# Allegro board LAY-38820_A.brd (continued)
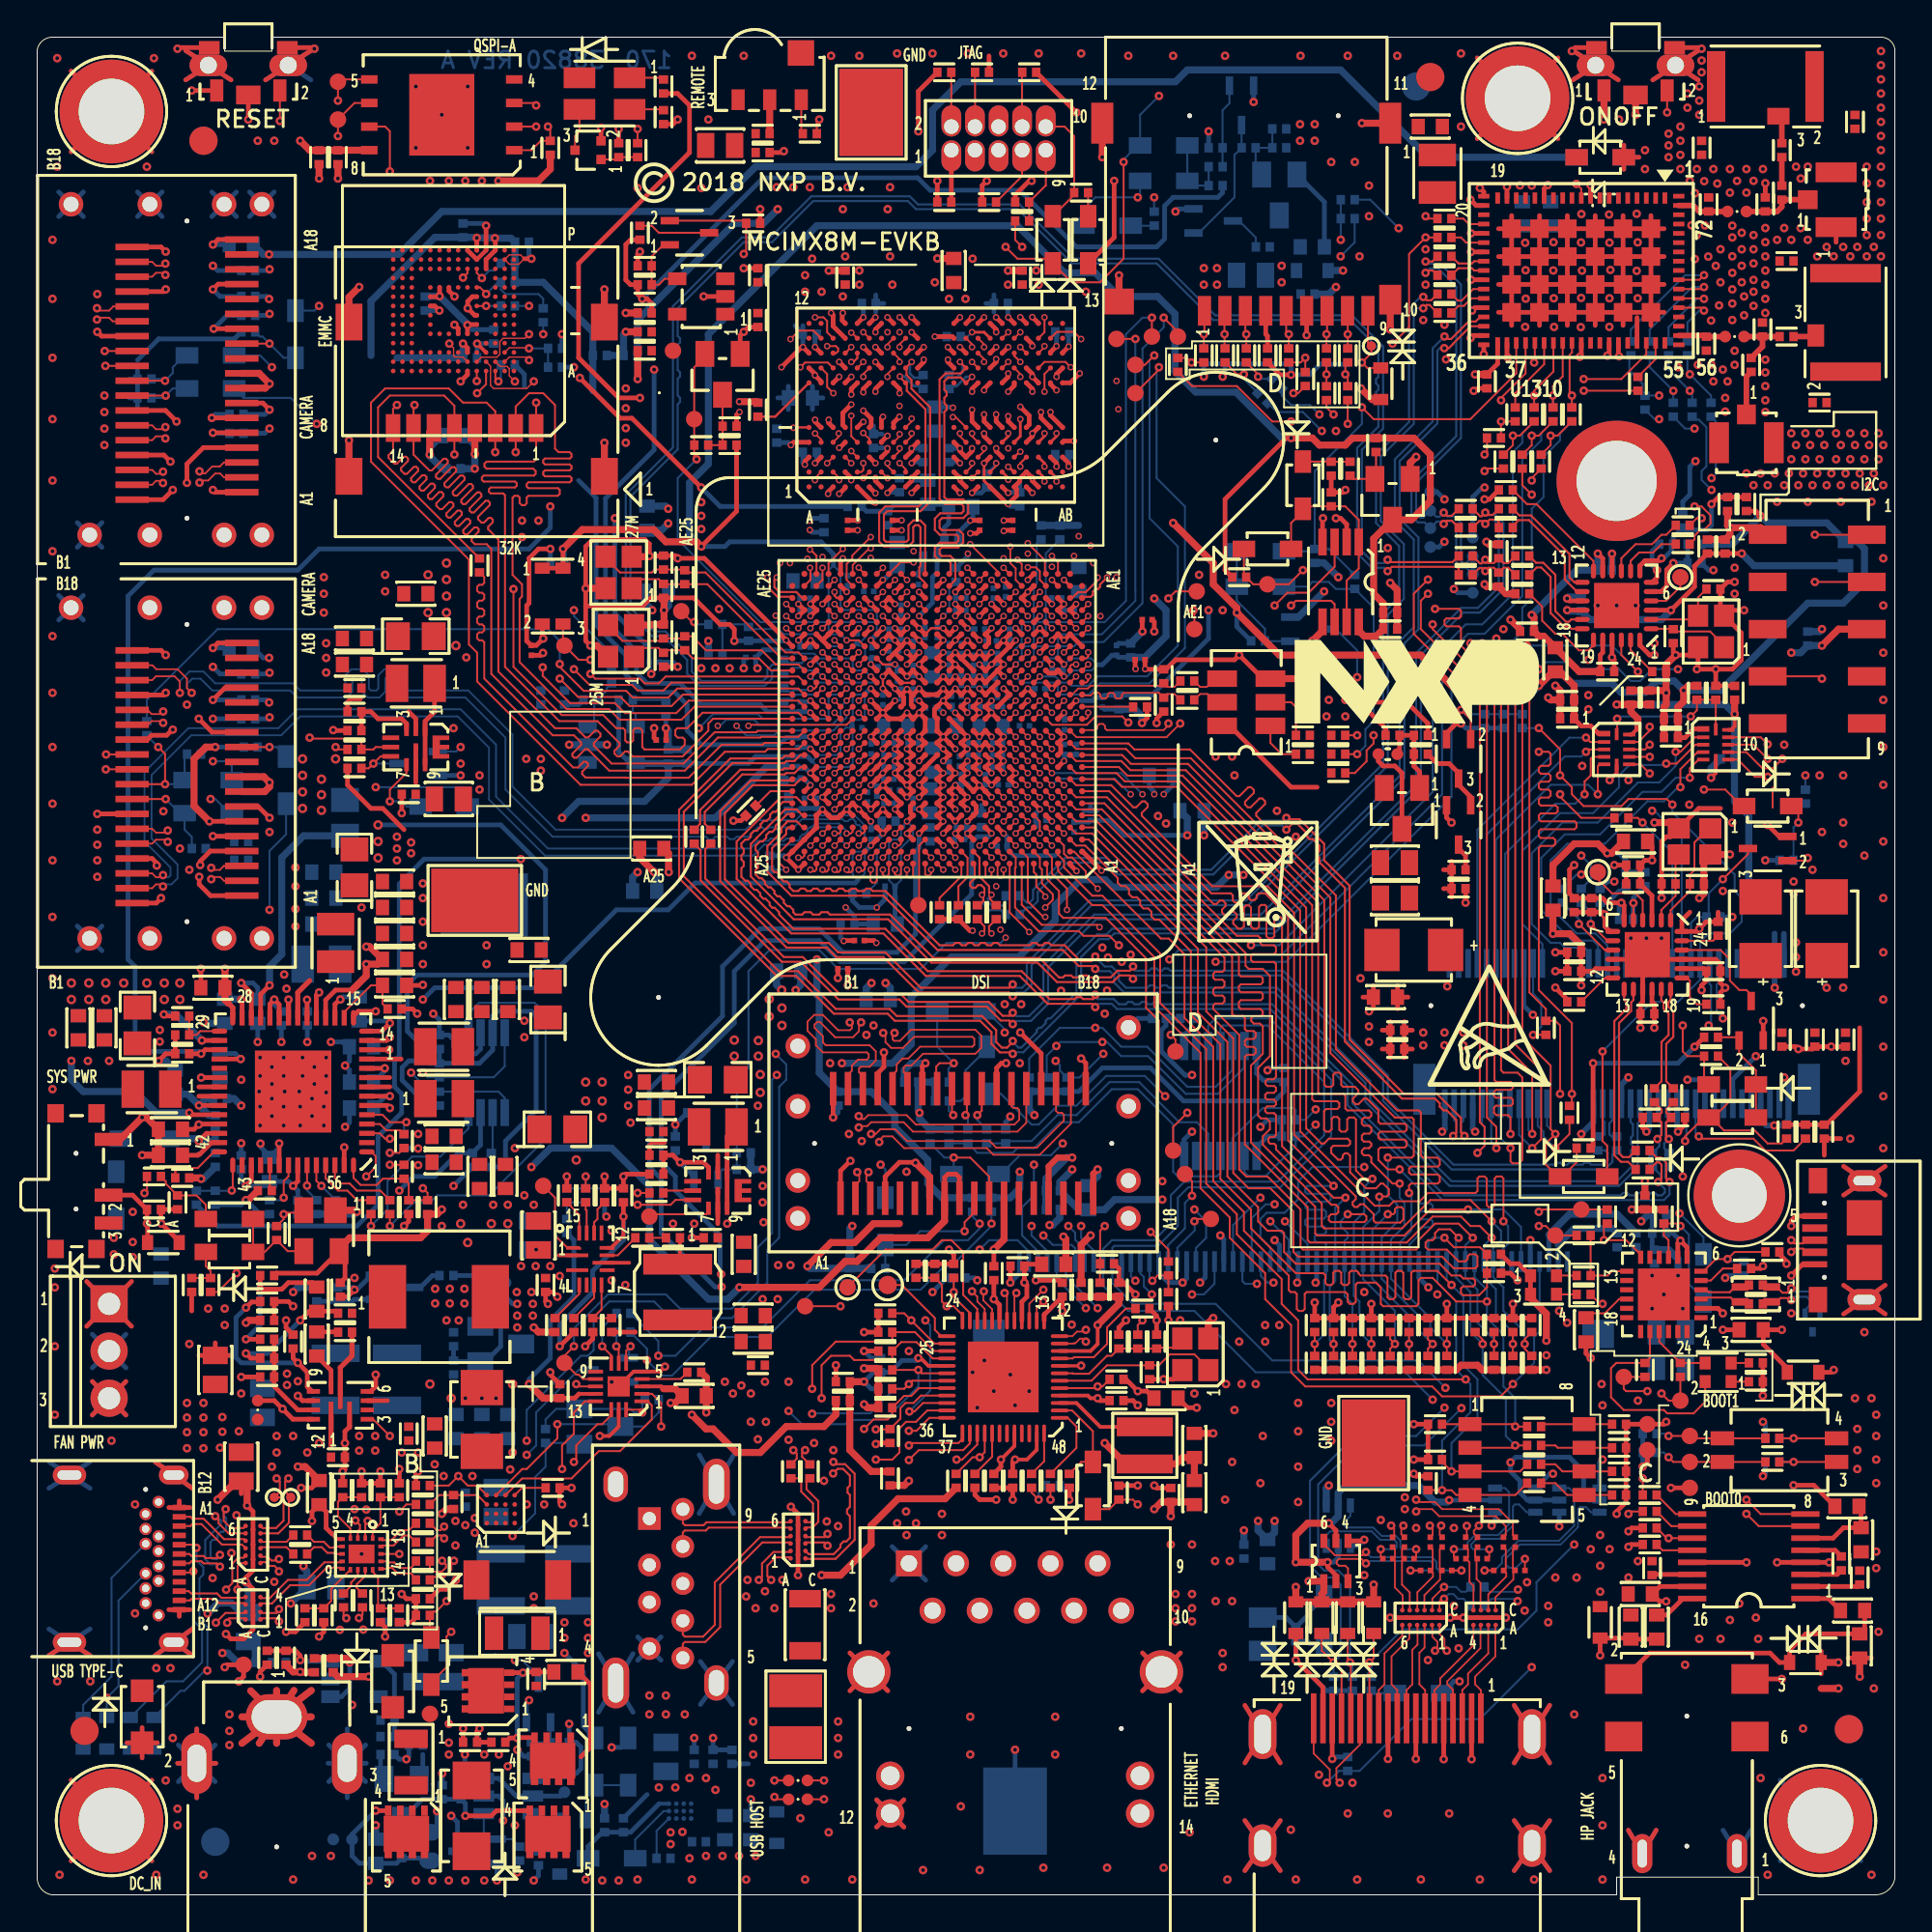
[diagram p0: board, top side]
## Routing (per net, layer and track width the routed paths; a pad name or vN(x,y) marks a point on that pad's centre or on a via; arc(x,y) is an arc through that point) (continued)
CSI_P1_DN3: length 61.3
  TOP w0.097: J1502.B16 6.19,87.1 6.4,87.31 6.79,87.31 v1(6.9,87.2)
  TOP w0.102: U101.C21 v2(42.93,56.48)
  L8_INT_3 w0.076: v1(6.9,87.2) 7.01,87.31 7.4,87.31 10.31,84.4 10.31,84.1 10.1,83.89 10.1,83.5 10.41,83.19 10.8,83.19 10.95,83.34 11.5,83.34 12.13,82.7 12.8,82.7 13.65,81.85 13.65,77.88 16.66,74.87 16.66,69.03 17.04,68.65 17.04,66.65 19.96,63.73 19.96,62.04 24.29,57.72 27.34,57.72 27.97,57.09 29.91,57.09 30.54,57.72 35.88,57.72 36.51,57.09 37.91,57.09 38.35,57.53 42.38,57.53 42.6,57.31 42.6,56.81 v2(42.93,56.48)
CSI_P1_DP0: length 60.1
  TOP w0.097: J1502.B3 6.19,76.7 6.4,76.5 6.66,76.5 v1(6.78,76.61)
  TOP w0.102: v2(41.62,55.83) 41.63,55.83 U101.B23
  L8_INT_3 w0.076: v1(6.78,76.61) 6.87,76.52 7.4,76.52 8.32,77.44 10.98,77.44 11.5,76.92 11.5,76.53 11.2,76.23 11.2,76.08 11.34,75.94 11.48,75.94 11.79,76.25 12.18,76.25 14.2,74.23 14.2,65.3 15.18,64.32 16.57,64.32 17.59,63.31 17.59,60.64 17.84,60.39 18.6,60.39 23.43,55.56 25.49,55.56 26.05,55.01 26.51,54.55 27.22,54.55 27.33,54.65 27.33,54.78 27.6,55.05 28.04,55.05 28.32,54.78 28.32,54.65 28.42,54.55 28.62,54.55 28.72,54.65 28.72,54.78 29,55.05 29.44,55.05 29.71,54.78 29.71,54.65 29.82,54.55 30.02,54.55 30.12,54.65 30.12,54.78 30.39,55.05 30.84,55.05 31.11,54.78 31.11,54.65 31.21,54.55 35.04,54.55 35.14,54.65 35.14,54.91 35.41,55.18 35.86,55.18 36.13,54.91 36.13,54.65 36.23,54.55 36.44,54.55 36.54,54.65 36.54,54.91 36.81,55.18 37.26,55.18 37.53,54.91 37.53,54.65 37.63,54.55 37.83,54.55 37.93,54.65 37.93,54.91 38.21,55.18 38.65,55.18 38.92,54.91 38.92,54.65 39.03,54.55 40.92,54.55 41.3,54.92 41.3,55.33 41.62,55.66 v2(41.62,55.83)
CSI_P1_DP1: length 59.9
  TOP w0.097: J1502.B6 6.19,79.1 6.4,78.9 6.79,78.9 v1(6.9,79.01)
  TOP w0.102: U101.D22 v2(42.28,57.13)
  L8_INT_3 w0.076: v2(42.28,57.13) 42.14,57 41.99,57 41.78,57.21 39.27,57.21 38.64,56.58 35.81,56.58 35.71,56.68 35.71,56.94 35.44,57.21 35,57.21 34.72,56.94 34.72,56.68 34.62,56.58 34.42,56.58 34.32,56.68 34.32,56.94 34.04,57.21 33.6,57.21 33.33,56.94 33.33,56.68 33.22,56.58 33.02,56.58 32.92,56.68 32.92,56.94 32.65,57.21 32.2,57.21 31.93,56.94 31.93,56.68 31.83,56.58 31.62,56.58 31.52,56.68 31.52,56.94 31.25,57.21 30.8,57.21 30.53,56.94 30.53,56.68 30.43,56.58 27.75,56.58 27.08,57.25 24.03,57.25 19.37,61.91 19.37,63.69 16.45,66.61 16.45,68.64 16.19,68.9 16.19,72.61 15.85,72.96 15.85,73.63 16.19,73.98 16.19,74.52 11.61,79.1 10.97,79.1 10.51,79.56 10.51,80.67 10.1,81.09 8.67,81.09 8.28,80.7 8.28,79.43 7.7,78.84 7.07,78.84 v1(6.9,79.01)
CSI_P1_DP2: length 62.9
  TOP w0.097: v1(3.22,85.41) 3.35,85.28 3.87,85.28 4.1,85.51 J1502.B14
  TOP w0.102: v2(41.62,56.48) 41.63,56.48 U101.C23
  L8_INT_3 w0.076: v1(3.22,85.41) 3.35,85.28 4,85.28 6.03,83.25 6.03,78.42 6.5,77.95 7.31,77.95 7.56,78.21 11.36,78.21 14.97,74.59 14.97,65.67 15.56,65.09 16.95,65.09 18.39,63.65 18.39,61.75 23.66,56.48 26.61,56.48 27.24,55.85 39.18,55.85 39.9,56.57 41.14,56.57 41.33,56.38 41.52,56.38 v2(41.62,56.48)
CSI_P1_DP3: length 61.3
  TOP w0.097: v1(6.9,87.81) 6.79,87.7 6.4,87.7 6.19,87.91 J1502.B17
  TOP w0.102: v2(42.93,57.13) 43.15,57.13 43.25,57.24 U101.D21
  L8_INT_3 w0.076: v2(42.93,57.13) 42.89,57.17 42.89,57.43 42.5,57.82 41.44,57.82 41.34,57.92 41.08,57.92 40.98,57.82 40.83,57.82 40.73,57.92 40.47,57.92 40.37,57.82 38.23,57.82 37.79,57.38 36.63,57.38 36,58.01 30.42,58.01 29.79,57.38 28.09,57.38 27.46,58.01 24.41,58.01 20.26,62.17 20.26,63.85 17.33,66.77 17.33,68.77 16.95,69.15 16.95,74.99 13.94,78 13.94,81.97 12.92,82.99 12.25,82.99 11.62,83.63 10.82,83.63 10.68,83.48 10.53,83.48 10.39,83.62 10.39,83.77 10.6,83.98 10.6,84.52 7.52,87.6 7.11,87.6 v1(6.9,87.81)
CSI_P1_PWDN: length 111.5
  TOP w0.107: U101.P4 v2(54.62,63.63)
  L6_INT_2 w0.076: v2(54.62,63.63) 54.95,63.31 56.07,63.31 56.2,63.18 56.96,63.18 57.97,64.2 66.23,64.2 71.44,69.4 71.44,77.02 73.34,78.93 73.34,82.51 73.63,82.81 73.63,87.02 69.85,90.8 63.5,90.8 56.07,98.23 45.53,98.23 42.35,95.06 33.72,95.06 32.96,95.82 26.48,95.82 25.65,95 20.19,95 15.18,89.98 v1(15.18,85.53)
  BOTTOM w0.107: v1(15.18,85.53) 14.92,85.28 D1503.C
CSI_P2_CKN: length 47
  TOP w0.097: J1503.A2 10.05,54.59 9.85,54.79 9.49,54.79 v1(9.37,54.67)
  TOP w0.102: U101.A19 44.55,55.22 44.45,55.12 44.29,55.12 v2(44.22,55.18)
  L8_INT_3 w0.076: v1(9.37,54.67) 9.58,54.88 11.89,54.88 13.2,53.57 14.76,53.57 16.74,51.59 18.25,51.59 18.52,51.86 18.52,53.01 18.62,53.11 18.93,53.11 19.03,53.01 19.03,51.86 19.3,51.59 24.58,51.59 25.3,50.86 38.23,50.86 38.33,50.76 38.33,50.37 38.6,50.1 39.15,50.1 39.42,50.37 39.42,50.76 39.53,50.86 39.83,50.86 39.93,50.76 39.93,50.37 40.21,50.1 40.75,50.1 41.02,50.37 41.02,50.76 41.13,50.86 42.23,50.86 44.19,52.83 44.19,55.15 v2(44.22,55.18)
CSI_P2_CKP: length 47
  TOP w0.097: J1503.A3 10.05,55.39 9.83,55.17 9.48,55.17 v1(9.37,55.28)
  TOP w0.102: U101.B19 44.23,55.83 v2(44.22,55.83)
  L8_INT_3 w0.076: v2(44.22,55.83) 44.22,55.66 43.9,55.33 43.9,52.95 42.11,51.16 41.01,51.16 40.73,50.88 40.73,50.49 40.63,50.39 40.33,50.39 40.22,50.49 40.22,50.88 39.95,51.16 39.41,51.16 39.13,50.88 39.13,50.49 39.03,50.39 38.73,50.39 38.62,50.49 38.62,50.88 38.35,51.16 25.42,51.16 24.7,51.88 19.42,51.88 19.32,51.98 19.32,53.13 19.05,53.4 18.5,53.4 18.23,53.13 18.23,51.98 18.13,51.88 16.86,51.88 14.88,53.86 13.32,53.86 12.01,55.17 9.48,55.17 v1(9.37,55.28)
CSI_P2_DN0: length 54.1
  TOP w0.097: J1503.B2 6.19,54.19 6.4,54.4 6.66,54.4 v1(6.78,54.28)
  TOP w0.102: U101.C20 v2(43.58,56.48)
  BOTTOM w0.097: v1(6.78,54.28) 6.89,54.4 7.23,54.4 7.56,54.72 7.56,55.47 6.16,56.86 6.16,60.28 8.3,62.42 13.14,62.42 14.16,63.44 22.64,63.44 24.32,61.75 24.32,58.96 27.34,55.94 38.54,55.94 39.13,56.53 41.04,56.53 41.97,57.47 43.08,57.47 43.25,57.3 43.25,56.81 v2(43.58,56.48)
CSI_P2_DN1: length 47
  TOP w0.097: J1503.B5 6.19,56.59 6.4,56.8 6.92,56.8 v1(7.03,56.68)
  TOP w0.102: v2(43.57,55.18) 43.57,55.13 43.65,55.05 43.8,55.05 43.9,55.15 U101.A20
  L8_INT_3 w0.076: v1(7.03,56.68) 7.14,56.79 7.94,56.79 8.58,56.16 10.3,56.16 10.58,56.43 10.58,57.84 10.68,57.94 10.98,57.94 11.09,57.84 11.09,56.43 11.36,56.16 14.17,56.16 16.29,54.04 19.33,54.04 20.52,52.86 24.36,52.86 25.5,51.71 41.55,51.71 43.54,53.7 43.54,55.15 v2(43.57,55.18)
CSI_P2_DN2: length 48
  TOP w0.097: v1(6.78,63.09) 6.69,63.18 6.16,63.18 5.96,62.99 J1503.B13
  TOP w0.102: U101.A21 43.25,55.17 43.15,55.06 43,55.06 42.92,55.14 v2(42.92,55.18)
  L8_INT_3 w0.076: v1(6.78,63.09) 6.98,63.28 7.55,63.28 8.41,62.42 10.83,62.42 13.23,60.01 13.23,58.39 15.33,56.3 15.71,56.3 16.32,56.91 16.46,56.91 16.68,56.69 16.68,56.55 16.07,55.94 16.07,55.56 16.7,54.93 21.11,54.93 22.29,53.75 24.61,53.75 25.84,52.51 41.34,52.51 42.89,54.07 42.89,55.15 v2(42.92,55.18)
CSI_P2_DN3: length 52
  TOP w0.097: J1503.B16 6.19,65.39 6.4,65.59 7.4,65.59 7.68,65.31 v1(7.68,64.7)
  TOP w0.107: U101.C19 v2(44.23,56.48)
  BOTTOM w0.097: v1(7.68,64.7) 7.68,65.34 8.19,65.85 8.95,65.85 9.59,65.21 13.78,65.21 14.16,64.83 16.48,64.83 16.59,64.93 16.59,65.65 16.91,65.98 17.53,65.98 17.86,65.65 17.86,64.93 17.96,64.83 18.26,64.83 18.36,64.93 18.36,65.65 18.69,65.98 19.31,65.98 19.63,65.65 19.63,64.93 19.74,64.83 23.21,64.83 25.59,62.45 25.59,59.66 27.91,57.34 38.13,57.34 38.64,57.85 40.83,57.85 41.08,58.1 44.02,58.1 44.55,57.57 U101.C19 v2(44.23,56.48)
CSI_P2_DP0: length 54.1
  TOP w0.097: v1(6.78,54.89) 6.66,54.78 6.4,54.78 6.19,54.99 J1503.B3
  TOP w0.102: v2(43.58,57.13) 43.8,57.13 43.9,57.24 U101.D20
  BOTTOM w0.097: v1(6.78,54.89) 6.89,54.78 7.07,54.78 7.17,54.88 7.17,55.31 5.78,56.7 5.78,60.44 8.14,62.8 12.99,62.8 14,63.82 22.8,63.82 24.7,61.91 24.7,59.12 27.49,56.32 38.39,56.32 38.8,56.74 39.36,56.74 39.49,56.86 39.78,56.86 39.91,56.74 40.19,56.74 40.32,56.86 40.54,56.86 40.67,56.74 40.95,56.74 41.07,56.85 41.07,56.95 41.2,57.09 41.3,57.09 41.46,57.25 41.46,57.34 41.59,57.47 41.69,57.47 41.89,57.67 43.17,57.67 43.5,57.34 43.5,57.21 v2(43.58,57.13)
CSI_P2_DP1: length 46.9
  TOP w0.097: v1(7.03,57.29) 6.92,57.18 6.4,57.18 6.19,57.39 J1503.B6
  TOP w0.102: U101.B20 43.58,55.83 v2(43.57,55.83)
  L8_INT_3 w0.076: v2(43.57,55.83) 43.57,55.66 43.25,55.33 43.25,53.82 41.43,52.01 25.62,52.01 24.48,53.15 20.64,53.15 19.46,54.33 16.41,54.33 14.29,56.45 11.48,56.45 11.38,56.55 11.38,57.96 11.1,58.23 10.56,58.23 10.28,57.96 10.28,56.55 10.18,56.45 8.7,56.45 8.06,57.09 7.24,57.09 v1(7.03,57.29)
CSI_P2_DP2: length 47.9
  TOP w0.097: J1503.B14 5.93,63.79 6.16,63.56 6.65,63.56 v1(6.78,63.7)
  TOP w0.102: v2(42.92,55.83) 42.93,55.83 U101.B21
  L8_INT_3 w0.076: v1(6.78,63.7) 6.91,63.58 7.67,63.58 8.53,62.71 10.95,62.71 13.52,60.13 13.52,58.52 15.45,56.59 15.59,56.59 16.2,57.2 16.58,57.2 16.97,56.81 16.97,56.43 16.36,55.82 16.36,55.68 16.82,55.22 21.23,55.22 22.41,54.04 24.73,54.04 25.97,52.81 41.22,52.81 42.6,54.19 42.6,55.33 42.92,55.66 v2(42.92,55.83)
CSI_P2_DP3: length 52
  TOP w0.097: v1(8.32,64.7) 8.06,64.96 8.06,65.47 7.56,65.98 6.41,65.98 6.2,66.19 J1503.B17
  TOP w0.107: v2(44.23,57.13) 44.43,57.13 44.55,57.25 U101.D19
  BOTTOM w0.097: v2(44.23,57.13) 44.35,57.26 44.35,57.49 44.25,57.58 44.14,57.58 44.05,57.67 44.05,57.78 43.94,57.9 43.75,57.9 43.65,57.8 43.47,57.8 43.37,57.9 41.17,57.9 40.63,57.37 40.42,57.37 40.32,57.47 40.07,57.47 39.97,57.37 39.73,57.37 39.63,57.47 39.4,57.47 39.3,57.37 39.12,57.37 39.02,57.47 38.8,57.47 38.29,56.96 37.65,56.96 37.53,56.83 37.27,56.83 37.15,56.96 36.51,56.96 36.37,56.81 36.15,56.81 36,56.96 27.75,56.96 25.21,59.5 25.21,62.29 23.05,64.45 19.58,64.45 19.25,64.78 19.25,65.49 19.15,65.59 18.85,65.59 18.74,65.49 18.74,64.78 18.42,64.45 17.8,64.45 17.47,64.78 17.47,65.49 17.37,65.59 17.07,65.59 16.97,65.49 16.97,64.78 16.64,64.45 14,64.45 13.62,64.83 9.43,64.83 8.8,65.47 8.35,65.47 8.06,65.18 8.06,64.96 v1(8.32,64.7)
CSI_P2_PWDN: length 67.8
  TOP w0.107: U101.P7 v2(52.67,64.28)
  L6_INT_2 w0.076: v2(52.67,64.28) U101.P7 52.35,63.27 51.7,62.62 51.7,60.86 51.55,60.71 50.59,60.71 50.4,60.52 50.4,57.01 50,56.6 50,54.4 49.74,54.14 49.74,53.43 48.83,52.51 48.83,46.54 46.16,43.88 43.57,43.88 v1(42.68,44.77)
  L8_INT_3 w0.076: v1(42.68,44.77) 42.56,44.64 34.23,44.64 32.96,45.91 30.66,45.91 26.53,50.04 25.02,50.04 24.45,50.61 16.83,50.61 14.85,52.59 12.94,52.59 v1(12.51,53.02)
  BOTTOM w0.107: D1504.C 13.4,57.09 12.51,56.2 v1(12.51,53.02)
DC_IN: length 35.1
  TOP w0.381: J902.1 13.82,11 ; J902.1 14.76,11 ; J902.1 14.76,9.58 ; J902.1 11.02,9.58 ; J902.1 12.89,8.16 ; J902.1 11.02,8.16 ; J902.1 14.76,8.16 ; J902.1 11.96,8.16 ; J902.1 12.89,9.59 ; 12.89,9.59 11.49,10.98 ; 12.89,9.59 12.89,11
  L6_INT_2 w0.254: v1(30.92,7.94) 28.89,7.94 27.49,9.33 25.34,9.33 24.45,10.22 v1(16.95,10.22)
  BOTTOM w0.254: v1(30.92,7.94) 31.43,7.94 31.81,8.32 D902.A
DCDC_3V3: length 87.8
  TOP w0.254: v1(13.78,38.16) 14.03,38.41 U702.50 ; U702.17 16.03,47.94 16.28,48.2 v1(16.32,48.2) ; U702.37 v1(8.71,42.49) ; U702.24 12.53,47.96 v1(12.76,48.2) 13.03,47.93 U702.23 ; R1622.1 34.47,96.97 35.11,96.33 35.11,93.79 29.15,87.82 29.15,82.74 31.3,80.58 v1(32.45,80.58) ; U702.27 11.03,48.15 v1(10.98,48.2) ; v1(11.24,38.16) 11.53,38.45 U702.45 ; R702.1 v1(11.24,29.91) ; U705.11 U705.8 20.38,59.88 ; R755.1 v1(12.01,32.6) 13.17,32.6 13.53,32.96 14.81,32.96 C712.2 ; U702.20 v1(14.53,48.18) ; U702.34 v1(8.83,43.99) ; 19.75,57.34 18.6,58.48 17.97,58.48 16.71,59.75 R701.1 ; 36.64,36.13 U707.8 U707.11 ; U702.10 v1(18.71,44.49) ; U702.12 v1(18.95,45.49) ; U701.5 18.85,26.6 ; U702.7 v1(18.99,42.99)
  L6_INT_2 w0.381: v1(23.1,66.61) 27.55,71.06 28.64,71.06 30.29,72.71 30.29,75.75 32.45,77.91 v1(32.45,80.58)
  BOTTOM w0.254: v1(16.32,48.2) 16.46,48.34 C737.2 ; v1(14.53,48.18) 14.54,48.17 C758.1 ; C748.2 18.71,44.35 v1(18.71,44.49) ; C716.1 29.16,64.08 R760.1 ; v1(12.76,48.2) 12.76,47.94 C762.2 ; C765.2 18.28,45.49 v1(18.95,45.49) ; v1(11.24,29.91) 12.01,30.68 v1(12.01,32.6) ; C743.2 18.75,42.99 v1(18.99,42.99) ; v1(8.83,43.99) 8.83,43.99 C740.2 ; C766.1 14.03,37.91 v1(13.78,38.16) 13.54,38.4 C736.2 12.27,38.16 v1(11.24,38.16) 10.98,38.42 C750.2
  BOTTOM w0.381: R756.1 9.24,41.97 v1(8.71,42.49) ; C746.2 9.08,42.86 v1(8.71,42.49) ; v1(10.98,48.2) 10.97,48.21 C755.2 ; v1(8.71,42.49) 8.1,43.1 C729.2
  vias: v1(19.37,56.96) v1(19.37,56.32) v1(19.37,55.69) v1(20.13,56.65) v1(20.13,56.07) v1(21.42,32.63) v1(21.42,31.84) v1(22.03,30.92) v1(22.21,32.63) v1(22.21,31.84) v1(22.69,30.92) v1(23,32.63) v1(23,31.84) v1(23.05,26.73) v1(23.94,26.73) v1(24.7,26.73) v1(26.33,61.15) v1(27.11,61.15) v1(27.11,60.51) v1(34.23,36.13) v1(35.37,36.13) v1(37.15,36.13) v1(39.1,36.21) v3(21.14,27.49) v3(22.29,26.73) v3(22.8,36.13) v3(23.18,35.11) v3(24.45,36.13) v3(25.34,36.13) v3(25.59,27.49)
DCDC_5V: length 107.4
  TOP w0.203: 29.17,26.97 U907.12
  TOP w0.254: 32.19,30.29 32.19,30.3 R749.2 ; C916.2 28.94,26.74 29.17,26.97
  TOP w0.381: R934.1 16.17,11.75 v1(17.84,11.75) ; C916.2 27.23,26.74 v1(26.48,27.49)
  BOTTOM w0.254: R748.1 28.89,35.25 28.89,32.19 27.62,30.92 27.62,28.89 26.48,27.75 v1(26.48,27.49) ; C1511.1 12.44,87.44 v1(12.51,87.51) ; C1520.1 12.17,66.59 v1(12.49,66.59) ; R932.1 31.56,4.13 32.83,5.4 ; v1(12.51,65.79) 12.44,65.72 C1514.1
  BOTTOM w0.381: C1517.1 12.17,88.3 v1(12.49,88.3) 19.47,88.3 21.78,90.61 36.26,90.61 38.67,93.03 47.31,93.03 48.2,93.92 48.2,96.07 49.72,97.6 61.28,97.6 61.91,98.23 70.17,98.23 74.87,93.53 D1301.A ; v1(60.57,37.43) 58,37.43 57.45,36.88 C1525.1 56.08,36.88 C1524.1 55.05,38.36 55.71,39.03 v1(55.71,39.05)
  vias: v1(4.13,35.37) v1(4.13,34.48) v1(5.14,36.77) v1(5.14,35.14) v1(5.14,34.33) v1(22.52,20.13) v1(23.05,19.9) v1(23.56,20.28) v1(23.56,19.49) v1(33.46,5.78) v1(34.35,5.78) v1(35.11,6.29) v1(36,6.29) v1(36.51,5.65) v1(37.02,27.62) v1(37.45,26.99) v1(37.91,27.42) v1(38.42,26.99) v1(38.42,25.46) v1(38.8,24.52) v1(39.23,25.46) v1(60.57,38.42) v1(63.41,17.97) v1(63.44,15.81) v1(63.82,13.02) v1(63.82,12.25) v1(63.99,27.49) v1(64.2,17.97) v1(64.32,15.81) v1(64.83,27.49) v1(65.59,27.49)
DCDC_5V_CN: length 11.5
  TOP w0.254: J1001.18 69.22,11.17 v1(67.75,12.64) TVS1002.2
  BOTTOM w0.254: D1001.C 68.52,13.52 68.38,13.66 R1011.2 v1(67.75,12.64) 69.4,10.99 R1004.1 R1009.1
DRAM_CA0_A: length 14.1
  TOP w0.102: U201.H2 45.77,76.92 v2(45.77,77.07) ; U101.AD17 v2(46.18,70.78)
  L8_INT_3 w0.076: v2(46.18,70.78) 46.18,71.02 46.09,71.11 45.24,71.11 45.15,71.02 45.15,69.93 45.06,69.84 44.02,69.84 43.93,69.93 43.93,70.12 44.02,70.2 44.68,70.2 44.77,70.29 44.77,70.47 44.64,70.6 44.64,70.8 44.77,70.93 44.77,71.18 44.64,71.31 44.64,71.48 44.73,71.56 45.11,71.56 45.2,71.65 45.2,74.54 45.45,74.78 45.45,75.62 45.63,75.81 46.08,75.81 46.16,75.89 46.16,76.39 45.77,76.78 v2(45.77,77.07)
DRAM_CA0_B: length 15
  TOP w0.102: v2(50.23,72.71) 51.7,71.24 U101.AE8 ; U201.R2 v2(50.32,76.27)
  L8_INT_3 w0.076: v2(50.23,72.71) 50.35,72.58 50.65,72.58 50.74,72.67 50.74,72.83 50.61,72.96 50.61,73.21 50.74,73.34 50.74,73.56 50.65,73.65 49.99,73.65 49.9,73.56 49.9,72.6 49.81,72.52 49.66,72.52 49.54,72.63 49.54,74.24 49.63,74.33 50.38,74.33 50.48,74.23 50.65,74.23 50.74,74.32 50.74,74.6 50.65,74.69 49.66,74.69 49.57,74.77 49.57,74.95 49.66,75.04 49.9,75.04 50.04,75.18 50.16,75.18 50.31,75.04 50.65,75.04 50.74,75.13 50.74,75.74 50.65,75.83 50.11,75.83 50,75.95 50,76.42 50.1,76.52 50.23,76.52 50.32,76.42 v2(50.32,76.27)
DRAM_CA1_A: length 11.1
  TOP w0.102: U101.AE16 v2(46.83,70.78) ; v2(46.42,77.07) 46.75,76.74 U201.J2
  L8_INT_3 w0.076: v2(46.83,70.78) 46.54,71.06 46.54,71.45 46.46,71.54 46,71.54 45.91,71.63 45.91,71.81 46,71.89 46.46,71.89 46.54,71.98 46.54,72.16 46.46,72.25 46,72.25 45.91,72.34 45.91,72.52 46,72.61 46.46,72.61 46.54,72.69 46.54,73 46.63,73.09 46.84,73.09 46.93,73.18 46.93,74.99 46.75,75.17 46.75,77.46 46.67,77.53 46.51,77.53 46.42,77.44 v2(46.42,77.07)
DRAM_CA1_B: length 14.9
  TOP w0.102: U201.P2 50.32,76.92 v2(50.32,77.07) ; v2(50.73,70.78) U101.AE9
  L8_INT_3 w0.076: v2(50.32,77.07) 50.32,76.8 51.04,76.09 51.04,72.37 50.95,72.28 50.67,72.28 50.58,72.19 50.58,72.02 50.67,71.93 50.95,71.93 51.04,71.84 51.04,71.65 50.96,71.57 50.81,71.57 50.74,71.49 50.74,71.25 50.81,71.18 50.96,71.18 51.04,71.1 51.04,70.22 51.12,70.14 51.28,70.14 51.37,70.23 51.37,70.37 51.46,70.46 52.26,70.46 52.35,70.36 52.35,69.9 52.26,69.81 52.09,69.81 52.01,69.9 52.01,70.08 51.92,70.17 51.75,70.17 51.67,70.09 51.67,69.89 51.6,69.81 50.58,69.81 50.41,69.99 50.41,70.27 50.73,70.59 v2(50.73,70.78)
DRAM_CA2_A: length 14.6
  TOP w0.102: U101.AD20 43.58,70.78 43.58,71.64 43.88,71.94 43.88,72.1 v2(44.87,73.09) ; U201.H9 45.77,81.87 v2(45.77,81.72)
  L8_INT_3 w0.076: v2(45.77,81.72) 45.77,80.08 45.68,80 45.24,80 45.15,79.91 45.15,78.89 45.24,78.8 45.36,78.8 45.45,78.71 45.45,78.52 45.36,78.43 45.24,78.43 45.15,78.34 45.15,78.16 45.24,78.08 45.36,78.08 45.45,77.99 45.45,77.81 45.36,77.72 45.24,77.72 45.15,77.63 45.15,77.45 45.24,77.36 45.36,77.36 45.45,77.28 45.45,76.05 45.28,75.88 45.02,75.88 44.64,75.5 44.64,74.87 44.87,74.64 v2(44.87,73.09)
DRAM_CA2_B: length 14.8
  TOP w0.102: U201.R9 v2(50.32,82.52) ; U101.AC7 v2(52.67,70.13)
  L8_INT_3 w0.076: v2(52.67,70.13) 52.67,70.64 52.21,71.11 51.83,71.11 51.7,71.23 51.7,76.44 51.3,76.84 51.3,78.02 51.62,78.34 51.62,79.06 51.3,79.38 51.3,79.89 50.65,80.54 50.65,81.86 50.32,82.19 v2(50.32,82.52)
DRAM_CA3_A: length 14.4
  TOP w0.102: U101.AE20 43.9,71.59 44.79,72.48 v2(44.87,72.48) ; v2(46.42,82.52) 46.42,82.67 U201.H10
  L8_INT_3 w0.076: v2(46.42,82.52) 46.12,82.52 45.45,81.85 45.45,80.76 44.8,80.1 44.8,78.04 44.71,77.96 44.6,77.96 44.51,77.87 44.51,77.69 44.6,77.6 44.71,77.6 44.8,77.51 44.8,76.11 44.16,75.48 44.16,74.71 44.51,74.36 44.51,72.57 44.6,72.48 v2(44.87,72.48)
DRAM_CA3_B: length 15.2
  TOP w0.102: U101.AE7 v2(52.02,71.43) ; U201.R10 50.97,82.67 v2(50.97,82.52)
  L8_INT_3 w0.076: v2(52.02,71.43) 52.3,71.43 52.39,71.52 52.39,71.94 52.72,72.27 52.72,73.16 52.89,73.34 52.89,74.19 52.81,74.28 52.73,74.28 52.64,74.37 52.64,74.55 52.73,74.64 52.81,74.64 52.89,74.73 52.89,74.9 52.81,74.99 52.73,74.99 52.64,75.08 52.64,75.26 52.73,75.35 52.81,75.35 52.89,75.44 52.89,75.62 52.81,75.7 52.73,75.7 52.64,75.79 52.64,75.97 52.73,76.06 52.81,76.06 52.89,76.15 52.89,76.38 52.81,76.47 52.69,76.47 52.6,76.56 52.6,77.95 52.69,78.04 52.81,78.04 52.89,78.13 52.89,78.31 52.81,78.4 52.69,78.4 52.6,78.48 52.6,78.67 52.68,78.75 52.82,78.75 52.89,78.83 52.89,79.02 52.82,79.1 52.68,79.1 52.6,79.17 52.6,79.99 51.62,80.96 51.62,81.72 50.97,82.37 v2(50.97,82.52)
DRAM_CA4_A: length 15.1
  TOP w0.102: v2(45.77,83.32) 45.77,83.47 U201.H11 ; U101.AD19 v2(44.23,70.78)
  L8_INT_3 w0.076: v2(44.23,70.78) 43.75,71.26 43.75,72.58 43.5,72.83 43.5,80.89 44.15,81.54 44.15,81.87 44.39,82.1 44.56,82.1 44.79,82.33 44.79,82.64 45.02,82.87 45.32,82.87 v2(45.77,83.32)
DRAM_CA4_B: length 14.1
  TOP w0.102: U201.R11 50.97,83.47 v2(50.97,83.32) ; v2(52.77,71.87) 53,71.64 U101.AE6
  L8_INT_3 w0.076: v2(52.77,71.87) 53,72.1 53,72.94 53.25,73.19 53.25,80.43 51.94,81.74 51.94,81.9 51.3,82.53 51.3,82.99 v2(50.97,83.32)
DRAM_CA5_A: length 14.2
  TOP w0.102: v2(46.42,83.32) 46.42,83.47 U201.J11 ; U101.AE19 44.23,71.43 44.23,71.44 v2(44.23,71.44)
  L8_INT_3 w0.076: v2(44.23,71.44) 44.13,71.54 44.13,72.71 43.8,73.04 43.8,75.68 44.16,76.03 44.16,80.05 44.8,80.69 44.8,81.63 46.42,83.25 v2(46.42,83.32)
DRAM_CA5_B: length 14.6
  TOP w0.102: v2(50.32,83.32) 50.32,83.47 U201.P11 ; v2(52.39,72.58) 52.39,71.69 52.67,71.4 52.67,70.78 U101.AD6
  L8_INT_3 w0.076: v2(50.32,83.32) 50.65,82.99 50.65,82.27 51.29,81.62 51.29,80.53 51.95,79.87 51.95,74.67 52.39,74.23 v2(52.39,72.58)
DRAM_CK_C_A: length 19.8
  TOP w0.114: v2(47.07,82.52) U201.J9 46.8,82.14 46.8,81.82 47.07,81.55 47.07,81.08 48.07,80.07 48.07,74.99 47.56,74.48 45.76,74.48 45.58,74.3 45.58,72.95 45.69,72.83 46.79,72.83 46.9,72.95 46.9,73.72 47.17,73.99 47.54,73.99 47.8,73.72 47.8,71.11 U101.AE14
  BOTTOM w0.14: R201.2 47.54,81.67 47.21,81.67 46.98,81.89 46.98,82.42 v2(47.07,82.52)
DRAM_CK_C_B: length 19.3
  TOP w0.114: v2(49.67,82.52) U201.P9 49.71,81.9 48.9,81.9 48.58,81.58 48.58,75.14 48.85,74.87 49.75,74.87 49.87,74.75 49.87,74.48 49.75,74.37 48.61,74.37 48.32,74.08 48.32,73.48 48.59,73.21 49.49,73.21 49.59,73.11 49.59,72.9 49.48,72.78 48.59,72.78 48.32,72.52 48.32,72.08 48.59,71.82 49.06,71.82 49.17,71.7 49.17,71.18 U101.AE12
  BOTTOM w0.14: R202.2 49.23,81.67 49.5,81.67 49.82,81.99 49.82,82.37 v2(49.67,82.52)
DRAM_CK_T_A: length 19.7
  TOP w0.114: U101.AD14 47.8,70.61 47.48,70.93 47.48,71.47 47.55,71.53 47.55,73.62 47.43,73.73 47.27,73.73 47.16,73.62 47.16,72.84 46.89,72.58 45.59,72.58 45.33,72.84 45.33,74.41 45.66,74.74 47.46,74.74 47.81,75.1 47.81,79.97 46.81,80.97 46.81,81.33 U201.J8 46.44,81.7 v2(46.44,81.73)
  BOTTOM w0.14: v2(46.44,81.73) 46.69,81.73 47.2,81.22 47.53,81.22 R201.1
DRAM_CK_T_B: length 19.8
  TOP w0.114: U101.AD12 49.42,70.78 49.42,71.81 49.16,72.07 48.69,72.07 48.58,72.19 48.58,72.41 48.69,72.53 49.58,72.53 49.85,72.79 49.85,73.24 49.62,73.47 48.69,73.47 48.58,73.58 48.58,73.98 48.72,74.12 49.86,74.12 50.12,74.38 50.12,74.86 49.86,75.12 48.96,75.12 48.83,75.25 48.83,79.82 48.96,79.95 48.96,80.17 48.83,80.3 48.83,80.58 48.96,80.71 48.96,80.9 48.83,81.03 48.83,81.47 49.05,81.68 49.71,81.68 U201.P8 v2(50.32,81.72)
  BOTTOM w0.14: R202.1 49.23,81.21 49.49,81.21 50,81.72 v2(50.32,81.72)
DRAM_CKE0_A: length 16.5
  TOP w0.102: U201.J4 47.07,78.52 v2(47.07,78.67) ; v2(46.83,70.13) 46.82,70.13 U101.AC16
  L8_INT_3 w0.076: v2(46.83,70.13) 47.15,69.81 47.71,69.81 48.15,70.24 48.15,80.5 47.94,80.71 46.93,80.71 46.75,80.53 46.75,78.99 v2(47.07,78.67)
DRAM_CKE0_B: length 16.3
  TOP w0.102: v2(49.67,78.67) 49.67,78.52 U201.P4 ; v2(50.07,70.78) 50.08,70.78 U101.AD10
  L8_INT_3 w0.076: v2(49.67,78.67) 49.67,79.39 49.97,79.69 49.97,81.09 49.62,81.44 48.93,81.44 48.5,81.01 48.5,72.28 49.99,70.78 v2(50.07,70.78)
DRAM_CKE1_A: length 14.4
  TOP w0.102: U101.AE17 46.47,71.73 v2(47.18,71.73) ; v2(47.07,79.47) 47.07,79.32 U201.J5
  L8_INT_3 w0.076: v2(47.07,79.47) 47.07,80.26 47.16,80.35 47.7,80.35 47.79,80.26 47.79,79.99 47.7,79.9 47.52,79.9 47.43,79.81 47.43,79.64 47.52,79.55 47.7,79.55 47.79,79.46 47.79,79.28 47.7,79.19 47.52,79.19 47.43,79.1 47.43,78.92 47.52,78.83 47.7,78.83 47.79,78.75 47.79,74.84 47.69,74.74 47.69,74.4 47.79,74.3 47.79,74.05 47.69,73.95 47.69,73.69 47.79,73.59 47.79,73.34 47.69,73.23 47.69,72.98 47.79,72.88 47.79,72.59 47.7,72.5 47.65,72.5 47.56,72.41 47.56,72.24 47.65,72.15 47.7,72.15 47.79,72.06 47.79,71.82 47.7,71.73 v2(47.18,71.73)
DRAM_CKE1_B: length 15.7
  TOP w0.102: U201.P5 49.45,79.55 v2(49.29,79.55) ; U101.AE10 v2(50.07,71.43)
  L8_INT_3 w0.076: v2(50.07,71.43) 49.85,71.43 48.86,72.43 48.86,76.83 48.95,76.92 49.12,76.92 49.21,77.01 49.21,77.19 49.12,77.28 48.95,77.28 48.86,77.37 48.86,78.55 48.95,78.64 49.25,78.64 49.34,78.73 49.34,78.9 49.25,78.99 48.95,78.99 48.86,79.08 48.86,80.86 49.08,81.09 49.44,81.09 49.53,81 49.53,80.81 49.47,80.74 49.3,80.74 49.21,80.65 49.21,80.49 49.3,80.4 49.55,80.4 49.64,80.31 49.64,79.9 v2(49.29,79.55)
DRAM_DATA0_A: length 23
  TOP w0.102: v2(41.87,76.16) 41.87,76.27 U201.B2
  TOP w0.107: v2(41.6,72.41) 41.62,72.41 41.95,72.09 U101.AE23
  L6_INT_2 w0.117: v2(41.6,72.41) 41.54,72.41 41.41,72.54 41.41,72.9 41.3,73.01 41.13,73.01 41.02,72.9 41.02,72.49 40.91,72.38 40.75,72.38 40.64,72.49 40.64,72.9 40.53,73.01 39.93,73.01 39.81,73.13 39.81,73.28 39.93,73.4 41.05,73.4 41.16,73.51 41.16,73.65 41.03,73.77 39.92,73.77 39.79,73.9 39.79,74.08 39.9,74.19 40.72,74.19 40.83,74.3 40.83,74.46 40.72,74.57 39.9,74.57 39.79,74.68 39.79,75.63 39.9,75.75 40.46,75.75 40.58,75.86 40.58,76.77 40.48,76.87 40.3,76.87 40.19,76.77 40.19,76.25 40.07,76.13 39.9,76.13 39.79,76.24 39.79,76.92 40.14,77.28 40.84,77.28 40.96,77.15 40.96,76.64 41.09,76.52 41.34,76.52 41.54,76.71 42.03,76.71 42.25,76.49 42.46,76.49 42.86,76.9 43.09,76.9 43.19,76.8 43.19,76.67 42.63,76.1 42.32,76.1 41.97,75.75 41.85,75.75 41.72,75.88 41.72,76 v2(41.87,76.16)
DRAM_DATA0_B: length 23.7
  TOP w0.107: U101.AE3 54.95,71.74 v2(54.62,72.07)
  TOP w0.152: U201.AA2 54.87,76.27 v2(54.87,76.09)
  L6_INT_2 w0.117: v2(54.87,76.09) 54.92,76.14 55.56,76.14 55.69,76.01 55.69,75.86 55.56,75.73 54.17,75.73 54.04,75.61 54.04,75.25 53.91,75.12 53.28,75.12 53.15,75.25 53.15,75.5 53.02,75.63 52.77,75.63 52.67,75.53 52.67,74.84 52.77,74.74 53.91,74.74 54.04,74.61 54.04,74.43 53.88,74.27 52.52,74.27 52.4,74.15 52.4,73.08 52.51,72.96 52.69,72.96 52.82,73.09 52.82,73.7 52.95,73.82 53.13,73.82 53.22,73.73 53.22,73.34 53.35,73.21 53.53,73.21 53.66,73.34 53.66,73.59 53.78,73.71 55.2,73.71 55.31,73.6 55.31,73.44 55.2,73.33 54.85,73.33 54.74,73.22 54.74,72.56 54.63,72.45 54.47,72.45 54.36,72.56 54.36,73.09 54.25,73.2 54.04,73.2 53.91,73.08 53.91,72.45 53.78,72.33 53.78,70.93 53.91,70.8 54.09,70.8 54.22,70.93 54.22,71.94 54.35,72.07 v2(54.62,72.07)
DRAM_DATA1_A: length 21.8
  TOP w0.102: U201.C2 43.17,76.27 v2(43.17,76.16)
  TOP w0.114: U101.AD24 41.62,70.78 41.62,71.41 v2(41.6,71.43)
  L6_INT_2 w0.117: v2(43.17,76.16) 43.17,75.88 43.05,75.75 42.43,75.75 42.07,75.4 41.49,75.4 41.39,75.5 41.39,76.01 41.26,76.14 41.08,76.14 40.96,76.01 40.96,75.53 40.83,75.4 40.27,75.4 40.14,75.27 40.14,75.12 40.27,74.99 41.12,74.99 41.23,74.88 41.23,74.47 41.34,74.36 41.58,74.36 41.69,74.47 41.69,74.88 41.8,74.99 42.01,74.99 42.14,74.87 42.14,73.85 42.27,73.72 42.46,73.72 42.57,73.83 42.57,74.88 42.68,74.99 43.09,74.99 43.22,74.87 43.22,74.69 43.07,74.54 43.07,73.45 42.94,73.32 41.97,73.32 41.85,73.19 41.85,73.01 41.97,72.89 42.82,72.89 42.95,72.76 42.95,72.58 42.82,72.45 42.05,72.45 41.94,72.34 41.94,70.51 41.84,70.42 41.67,70.42 41.54,70.55 41.54,71.37 v2(41.6,71.43)
